# Altium PCB Luchador Pcb.PcbDoc (part 2 of 4)
Units mil, origin at the board's own origin, x right, y up, seen from the top; angles counter-clockwise.
Board outline 6102.25 x 2953 mil, 6 copper layers (Top Layer, GND PLANE 1, SL1(H), SL2(V), Power, Bottom Layer), stack 62.468 mil thick; 267 components, 233 nets, 1286 pads, 806 vias.
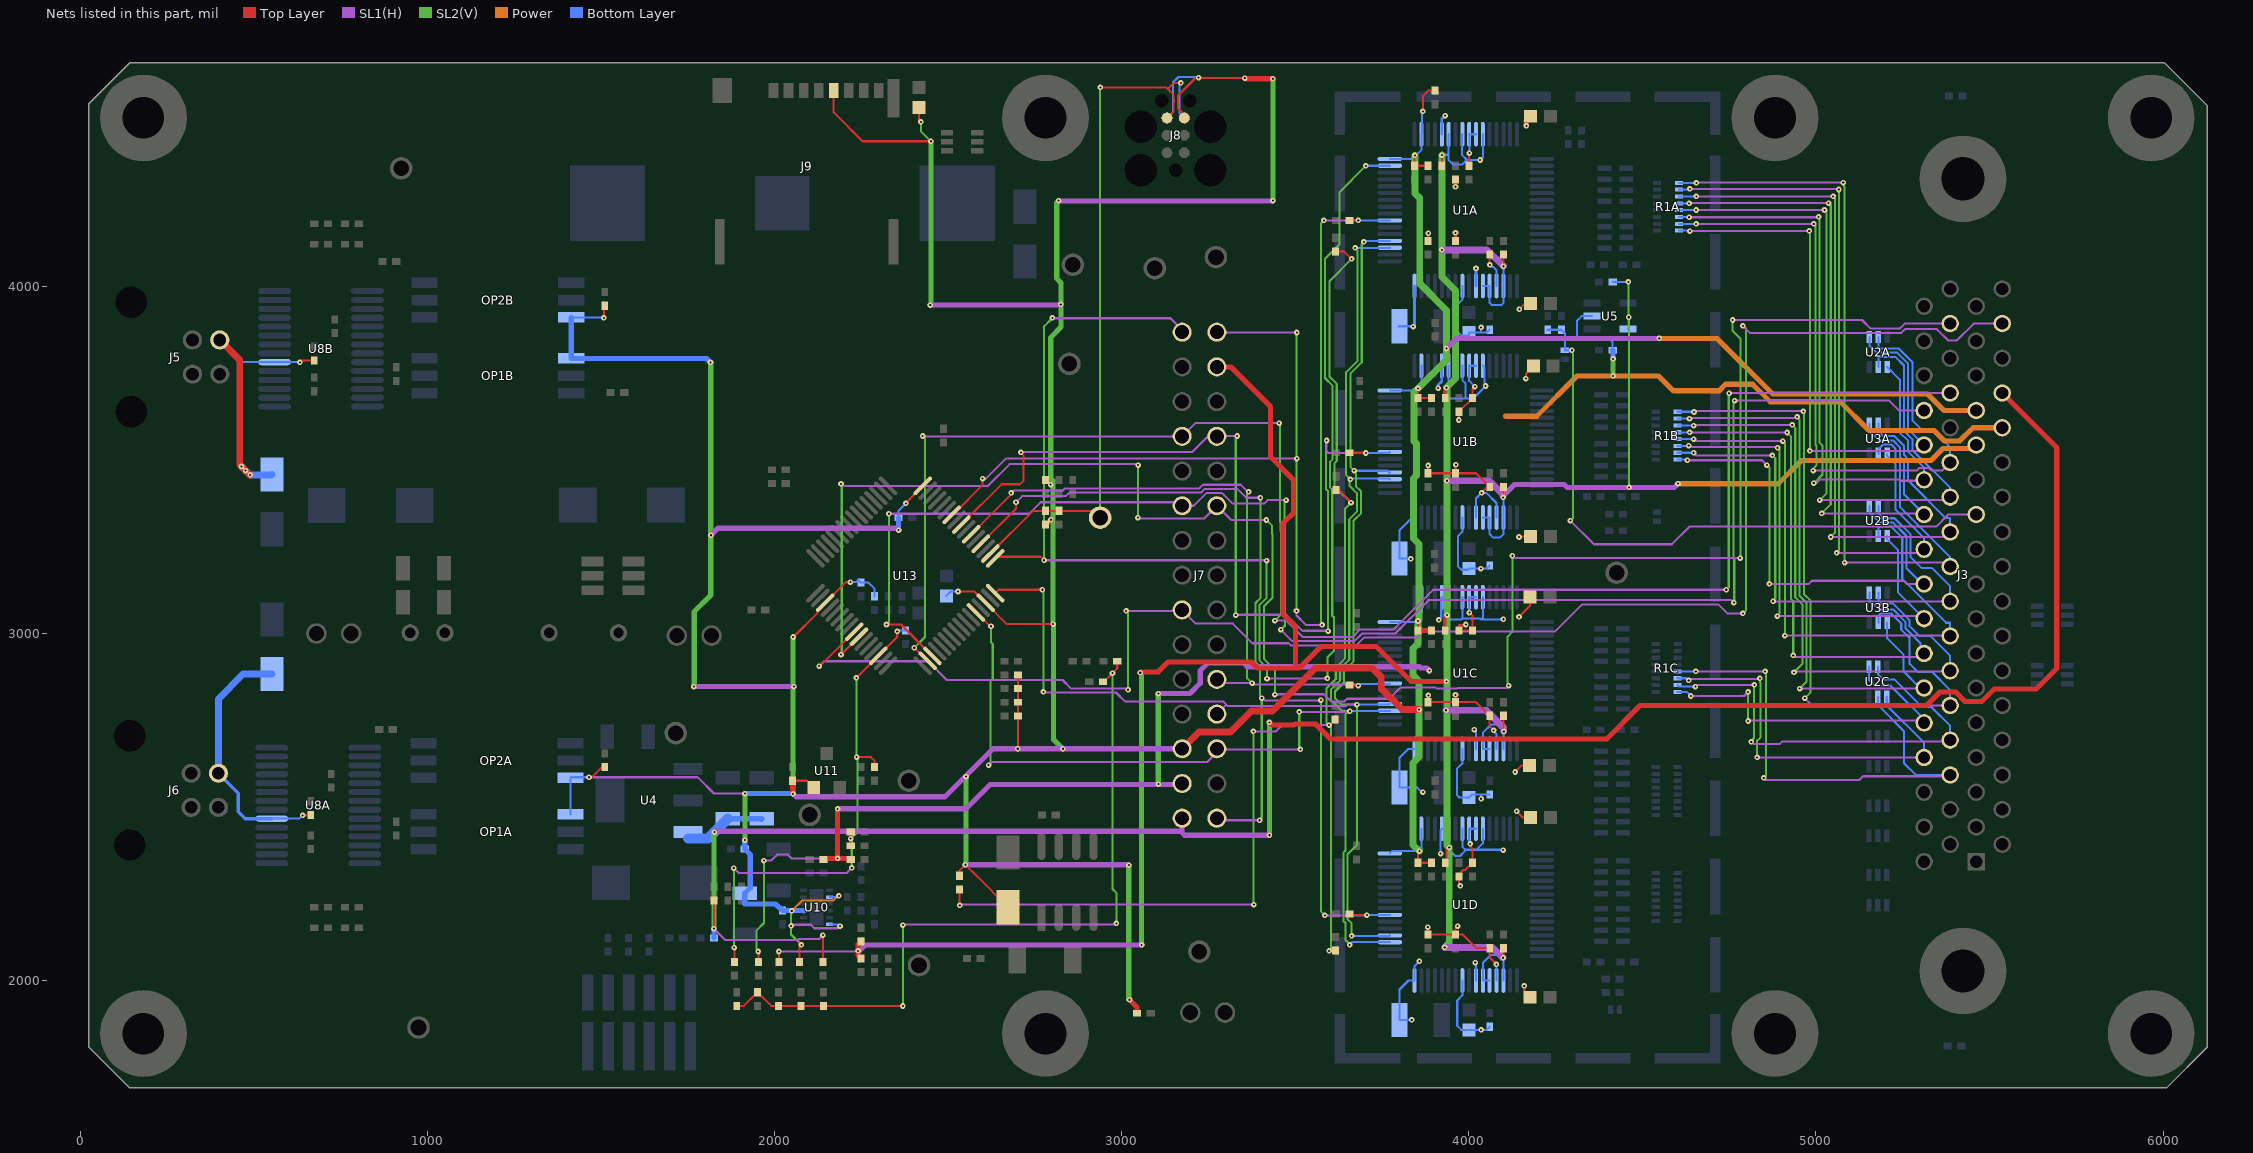
[diagram p6: the nets of this part, all layers, seen from the top]

## Part data (continued)
R47: "Resistor", Case Size="0402 (1005 Metric)", Manufacturer=Panasonic, Manufacturer Part Number=ERJ-2RKF3012X, Operating Temp Range="-55 to +155 °C", Overload Voltage - Max="100 V", Rated Power="0.1 W", Resistance=30.1K, Supplier Part Number 1=P30.1KLCT-ND, Temp Coefficient="±100 ppm/°C", Tolerance (%)="±1 %", Working Voltage-Nom="50 V", ComponentLink1Description=https://datasheet.ciiva.com/16780/70260748-16780293.pdf, ComponentLink1URL=https://datasheet.ciiva.com/16780/70260748-16780293.pdf, ComponentLink2Description=https://datasheet.ciiva.com/28563/1678782-28563413.pdf, ComponentLink2URL=https://datasheet.ciiva.com/28563/1678782-28563413.pdf, ComponentLink3Description=https://datasheet.ciiva.com/30108/aoa0000ce2-30108661.pdf, ComponentLink3URL=https://datasheet.ciiva.com/30108/aoa0000ce2-30108661.pdf, ComponentLink4Description=https://datasheet.ciiva.com/9190/aoa0000ce2-9190840.pdf, ComponentLink4URL=https://datasheet.ciiva.com/9190/aoa0000ce2-9190840.pdf, ComponentLink5Description=https://datasheet.ciiva.com/28695/1678782-28695771.pdf, ComponentLink5URL=https://datasheet.ciiva.com/28695/1678782-28695771.pdf, ComponentLink6Description=https://datasheet.ciiva.com/46389/426256-46389467.pdf, ComponentLink6URL=https://datasheet.ciiva.com/46389/426256-46389467.pdf, ComponentLink7Description=https://datasheet.ciiva.com/24025/aoa0000ce2-24025263.pdf, ComponentLink7URL=https://datasheet.ciiva.com/24025/aoa0000ce2-24025263.pdf, Description1="PANASONIC ELECTRONIC COMPONENTS         ERJ2RKF3012X             SMD Chip Resistor, Thick Film, 30.1 kohm, 50 V, 0402 [1005 Metric], 100 mW,  1%, ERJ2R Series", Dimension="1 x 0.5 mm", Height - Max="0.4 mm", No. of Terminations=2, Pricing 1="1=0.1, 10=0.056, 100=0.0227, 1000=0.0102, 2500=0.0089, 5000=0.0073 (USD)", Stock 1=680939, Supplier 1=Digi-Key, Technology="Thick Film"
R52: "Resistor", Case Code - in=0402, Case Code - mm=1005, Manufacturer=Yageo, Manufacturer Part Number=RC0402FR-0711KL, Operating Temperature Range="- 55 C to + 155 C", Power Rating="62.5 mW (1/16 W)", Resistance=11k, Supplier Part Number 1=311-11.0KLRCT-ND, Temperature Coefficient="100 PPM / C", Tolerance="1 %", Voltage Rating="50 V", ComponentLink1Description=http://www.yageo.com/documents/recent/PYu-RC_Group_51_RoHS_L_9.pdf, ComponentLink1URL=http://www.yageo.com/documents/recent/PYu-RC_Group_51_RoHS_L_9.pdf, ComponentLink2Description=http://www.mouser.com/ds/2/447/PYu-RC0402_51_RoHS_L_6_r-8721.pdf, ComponentLink2URL=http://www.mouser.com/ds/2/447/PYu-RC0402_51_RoHS_L_6_r-8721.pdf, ComponentLink3Description=http://www.farnell.com/datasheets/1018594.pdf, ComponentLink3URL=http://www.farnell.com/datasheets/1018594.pdf, Description1="RES SMD 11K OHM 1% 1/16W 0402", Packaging=Reel, Pricing 1="1=0.1, 10=0.016, 100=0.0067, 1000=0.003, 2500=0.0026, 5000=0.0022 (USD)", Product="Thick Film Resistors General Purpose", Series=RC, Stock 1=2904725, Supplier 1=Digi-Key, Termination Style=SMD/SMT
R54: "Resistor", Case Code - in=0402, Case Code - mm=1005, Manufacturer=Yageo, Manufacturer Part Number=RC0402FR-071KL, Operating Temperature Range="- 55 C to + 155 C", Power Rating="62.5 mW (1/16 W)", Resistance=1K, Supplier Part Number 1=311-1.00KLRDKR-ND, Temperature Coefficient="100 PPM / C", Tolerance="1 %", Voltage Rating="50 V", ComponentLink1Description=http://documents.rs-components.com/techlib://itc_doclist_GB.htm?stockno=6186122, ComponentLink1URL=http://documents.rs-components.com/techlib://itc_doclist_GB.htm?stockno=6186122, ComponentLink2Description=http://www.mouser.com/ds/2/447/PYu-RC0402_51_RoHS_L_6_r-8721.pdf, ComponentLink2URL=http://www.mouser.com/ds/2/447/PYu-RC0402_51_RoHS_L_6_r-8721.pdf, ComponentLink3Description=http://www.yageo.com/documents/recent/PYu-RC0402_51_RoHS_L_6_r.pdf, ComponentLink3URL=http://www.yageo.com/documents/recent/PYu-RC0402_51_RoHS_L_6_r.pdf, ComponentLink4Description=http://www.farnell.com/datasheets/1018594.pdf, ComponentLink4URL=http://www.farnell.com/datasheets/1018594.pdf, ComponentLink5Description=http://www.farnell.com/datasheets/2167052.pdf, ComponentLink5URL=http://www.farnell.com/datasheets/2167052.pdf, Description1="RES SMD 1K OHM 1% 1/16W 0402", Packaging=Reel, Pricing 1="1=0.1, 10=0.016, 100=0.0067, 1000=0.003, 2500=0.0026, 5000=0.0022 (USD)", Product="Thick Film Resistors General Purpose", Series=RC, Stock 1=114983350, Supplier 1=Digi-Key, Termination Style=SMD/SMT
R58: "Resistor", Case Code - in=0402, Case Code - mm=1005, Manufacturer=Panasonic, Manufacturer Part Number=ERJ-2RKF1502X, Operating Temperature Range="- 55 C to + 155 C", Package / Case="0402 (1005 metric)", Power Rating="100 mW", Resistance=15k, Supplier Part Number 1=P15.0KLCT-ND, Temperature Coefficient="100 PPM / C", Tolerance="1 %", Voltage Rating="50 V", Brand=Panasonic, ComponentLink1Description=https://datasheet.ciiva.com/6138/aoa0000ce2-6138166.pdf, ComponentLink1URL=https://datasheet.ciiva.com/6138/aoa0000ce2-6138166.pdf, ComponentLink2Description=https://datasheet.ciiva.com/16765/70260748-16765542.pdf, ComponentLink2URL=https://datasheet.ciiva.com/16765/70260748-16765542.pdf, ComponentLink3Description=https://datasheet.ciiva.com/43467/1678782-43467414.pdf, ComponentLink3URL=https://datasheet.ciiva.com/43467/1678782-43467414.pdf, ComponentLink4Description=https://datasheet.ciiva.com/9193/aoa0000ce2-9193047.pdf, ComponentLink4URL=https://datasheet.ciiva.com/9193/aoa0000ce2-9193047.pdf, ComponentLink5Description=https://datasheet.ciiva.com/8079/426256-8079609.pdf, ComponentLink5URL=https://datasheet.ciiva.com/8079/426256-8079609.pdf, ComponentLink6Description=https://datasheet.ciiva.com/16778/70260748-16778682.pdf, ComponentLink6URL=https://datasheet.ciiva.com/16778/70260748-16778682.pdf, ComponentLink7Description=https://datasheet.ciiva.com/16371/aoa0000ce2-16371499.pdf, ComponentLink7URL=https://datasheet.ciiva.com/16371/aoa0000ce2-16371499.pdf, ComponentLink8Description=https://datasheet.ciiva.com/22687/1678782-22687068.pdf, ComponentLink8URL=https://datasheet.ciiva.com/22687/1678782-22687068.pdf, ComponentLink9Description=https://datasheet.ciiva.com/11821/0900766b80f80784-11821181.pdf, ComponentLink9URL=https://datasheet.ciiva.com/11821/0900766b80f80784-11821181.pdf, ComponentLink10Description=https://datasheet.ciiva.com/46372/1678782-46372862.pdf, ComponentLink10URL=https://datasheet.ciiva.com/46372/1678782-46372862.pdf, ComponentLink11Description=https://datasheet.ciiva.com/17211/aoa0000ce2-17211535.pdf, ComponentLink11URL=https://datasheet.ciiva.com/17211/aoa0000ce2-17211535.pdf, ComponentLink12Description=https://datasheet.ciiva.com/46372/1678782-46372863.pdf, ComponentLink12URL=https://datasheet.ciiva.com/46372/1678782-46372863.pdf, Description1="Res Thick Film 0402 15K Ohm 1% 0.1W(1/10W) ±100ppm/C Molded SMD Automotive Punched T/R", Factory Pack Quantity=10000, Height="0.35 mm", Length="1 mm", Packaging=Reel, Pricing 1="1=0.1, 10=0.056, 100=0.0227, 1000=0.0102, 2500=0.0089, 5000=0.0073 (USD)", Product="Thick Film Resistors SMD", Product Category="Thick Film Resistors - SMD", Qualification=AEC-Q200, RoHS=True, Series=ERJ, Stock 1=1770491, Supplier 1=Digi-Key, Termination Style=SMD/SMT, Type="Precision Thick Film Resistors SMD", Unit Weight="0.000028 oz", Width="0.5 mm"
R59: "Resistor", Manufacturer=Panasonic, Manufacturer Part Number=ERJ-2RKF1602X, Power Rating=100mW, Resistance=16k, Resistance Tolerance="± 1%", Resistor Case Style=0402, Resistor Element Material="Thick Film", Resistor Mounting=SMD, Supplier Part Number 1=P16.0KLCT-ND, Temperature Coefficient="± 100ppm/°C", Voltage Rating=50V, ComponentLink1Description=https://datasheet.ciiva.com/9119/aoa0000ce2-9119254.pdf, ComponentLink1URL=https://datasheet.ciiva.com/9119/aoa0000ce2-9119254.pdf, ComponentLink2Description=https://datasheet.ciiva.com/43467/1678782-43467416.pdf, ComponentLink2URL=https://datasheet.ciiva.com/43467/1678782-43467416.pdf, ComponentLink3Description=https://datasheet.ciiva.com/24070/aoa0000ce2-24070362.pdf, ComponentLink3URL=https://datasheet.ciiva.com/24070/aoa0000ce2-24070362.pdf, ComponentLink4Description=https://datasheet.ciiva.com/16761/70260748-16761564.pdf, ComponentLink4URL=https://datasheet.ciiva.com/16761/70260748-16761564.pdf, ComponentLink5Description=https://datasheet.ciiva.com/11821/0900766b80f80784-11821213.pdf, ComponentLink5URL=https://datasheet.ciiva.com/11821/0900766b80f80784-11821213.pdf, ComponentLink6Description=https://datasheet.ciiva.com/22681/1678782-22681663.pdf, ComponentLink6URL=https://datasheet.ciiva.com/22681/1678782-22681663.pdf, Description1="Panasonic ERJ2RK Series Thick Film Surface Mount Fixed Resistor 0402 Case 1% 0.1W 100ppm/C", Pricing 1="1=0.1, 10=0.056, 100=0.0227, 1000=0.0102, 2500=0.0089, 5000=0.0073 (USD)", Stock 1=351031, Supplier 1=Digi-Key
R64: "Resistor", Manufacturer=Panasonic, Manufacturer Part Number=ERJ-2RKF4022X, Power Rating=100mW, Resistance=40.2k, Resistance Tolerance="± 1%", Resistor Case Style="0402 [1005 Metric]", Resistor Element Material="Thick Film", Resistor Mounting=SMD, Supplier Part Number 1=P40.2KLCT-ND, Temperature Coefficient="± 100ppm/°C", Voltage Rating=50V, ComponentLink1Description=https://datasheet.ciiva.com/6159/426256-6159589.pdf, ComponentLink1URL=https://datasheet.ciiva.com/6159/426256-6159589.pdf, ComponentLink2Description=https://datasheet.ciiva.com/16786/70260748-16786006.pdf, ComponentLink2URL=https://datasheet.ciiva.com/16786/70260748-16786006.pdf, ComponentLink3Description=https://datasheet.ciiva.com/27055/1987281-27055654.pdf, ComponentLink3URL=https://datasheet.ciiva.com/27055/1987281-27055654.pdf, ComponentLink4Description=https://datasheet.ciiva.com/28693/1678782-28693542.pdf, ComponentLink4URL=https://datasheet.ciiva.com/28693/1678782-28693542.pdf, ComponentLink5Description=https://datasheet.ciiva.com/16771/70260748-16771239.pdf, ComponentLink5URL=https://datasheet.ciiva.com/16771/70260748-16771239.pdf, ComponentLink6Description=https://datasheet.ciiva.com/9189/aoa0000ce2-9189864.pdf, ComponentLink6URL=https://datasheet.ciiva.com/9189/aoa0000ce2-9189864.pdf, ComponentLink7Description=https://datasheet.ciiva.com/43460/426256-43460328.pdf, ComponentLink7URL=https://datasheet.ciiva.com/43460/426256-43460328.pdf, ComponentLink8Description=https://datasheet.ciiva.com/46377/426256-46377274.pdf, ComponentLink8URL=https://datasheet.ciiva.com/46377/426256-46377274.pdf, ComponentLink9Description=https://datasheet.ciiva.com/24160/aoa0000ce2-24160028.pdf, ComponentLink9URL=https://datasheet.ciiva.com/24160/aoa0000ce2-24160028.pdf, Description1="Res Thick Film 0402 40.2K Ohm 1% 0.1W(1/10W) ±100ppm/C Molded SMD Automotive T/R", MSL="(Not Applicable)", Packaging="Cut Tape", Pricing 1="1=0.1, 10=0.056, 100=0.0227, 1000=0.0102, 2500=0.0089, 5000=0.0073 (USD)", Product Range="PANASONIC - ERJ Series", Resistor Element Type="Thick Film", Stock 1=987602, Supplier 1=Digi-Key, SVHC="Diboron trioxide (19-Dec-2012)", SVHC (Secondary)="Lead monoxide (lead oxide) (19-Dec-2012)"
R99: "Resistor", Manufacturer=Panasonic, Manufacturer Part Number=ERJ-2RKF10R0X, Rated Power="0.1 W", Resistance=10R, Supplier Part Number 1=P10.0LCT-ND, Temp Coefficient="±100 ppm/°C", Tolerance (%)="±1 %", ComponentLink1Description=https://datasheet.ciiva.com/11821/0900766b80f80784-11821168.pdf, ComponentLink1URL=https://datasheet.ciiva.com/11821/0900766b80f80784-11821168.pdf, ComponentLink2Description=https://datasheet.ciiva.com/7802/aoa0000ce2-7802405.pdf, ComponentLink2URL=https://datasheet.ciiva.com/7802/aoa0000ce2-7802405.pdf, ComponentLink3Description=https://datasheet.ciiva.com/16773/70260748-16773366.pdf, ComponentLink3URL=https://datasheet.ciiva.com/16773/70260748-16773366.pdf, ComponentLink4Description=https://datasheet.ciiva.com/43467/1678782-43467127.pdf, ComponentLink4URL=https://datasheet.ciiva.com/43467/1678782-43467127.pdf, ComponentLink5Description=https://datasheet.ciiva.com/9194/aoa0000ce2-9194120.pdf, ComponentLink5URL=https://datasheet.ciiva.com/9194/aoa0000ce2-9194120.pdf, ComponentLink6Description=https://datasheet.ciiva.com/30218/aoa0000ce2-30218536.pdf, ComponentLink6URL=https://datasheet.ciiva.com/30218/aoa0000ce2-30218536.pdf, ComponentLink7Description=https://datasheet.ciiva.com/17212/aoa0000ce2-17212057.pdf, ComponentLink7URL=https://datasheet.ciiva.com/17212/aoa0000ce2-17212057.pdf, ComponentLink8Description=https://datasheet.ciiva.com/24071/aoa0000ce2-24071514.pdf, ComponentLink8URL=https://datasheet.ciiva.com/24071/aoa0000ce2-24071514.pdf, ComponentLink9Description=https://datasheet.ciiva.com/27055/1987054-27055644.pdf, ComponentLink9URL=https://datasheet.ciiva.com/27055/1987054-27055644.pdf, ComponentLink10Description=https://datasheet.ciiva.com/6082/aoa0000ce2-6082046.pdf, ComponentLink10URL=https://datasheet.ciiva.com/6082/aoa0000ce2-6082046.pdf, ComponentLink11Description=https://datasheet.ciiva.com/22668/1678782-22668302.pdf, ComponentLink11URL=https://datasheet.ciiva.com/22668/1678782-22668302.pdf, Description1="Res Thick Film 0402 10 Ohm 1% 0.1W(1/10W) ±100ppm/C Molded SMD Automotive Punched T/R", Pricing 1="1=0.1, 10=0.056, 100=0.0227, 1000=0.0102, 2500=0.0089, 5000=0.0073 (USD)", Size Code=0402, Stock 1=3489054, Supplier 1=Digi-Key
RFS1: Manufacturer="Leader Tech FerriShield", Manufacturer Part Number=SMS-462F, Supplier Part Number 1=1798-1237-1-ND, Attenuation=-, Depth=5.99mm, Description1="LEADER TECH-FERRISHIELD         SMS-462F             SURFACE MOUNT SHIELD FRAME, RECT                          New", Gasket Material="Tin Plated Steel", Length=27.18mm, Pricing 1="1=2.84, 10=2.567, 25=2.2916, 100=2.0626 (USD)", Product Range="Two-Piece SMS Series", Shielding Type="EMI Shielding", Stock 1=814, Supplier 1=Digi-Key, SVHC="No SVHC (17-Dec-2015)", Width=70.05mm
U1A U1B U1C U1D: Manufacturer="Texas Instruments", Package / Case=64-TQFP, Power (Watts)=42mW, Supplier Device Package="64-TQFP (10x10)", Supplier Part Number 1=296-34818-1-ND, Voltage - Supply, Analog=5V, Voltage - Supply, Digital="1.8 V ~ 3.6 V", Category="Integrated Circuits (ICs)", ComponentLink1Description=http://www.ti.com/lit/ds/symlink/ads1299.pdf, ComponentLink1URL=http://www.ti.com/lit/ds/symlink/ads1299.pdf, Description1="IC AFE 24BIT 16KSPS LN 64TQFP", Manufacturer Part Number=ADS1299IPAGR, Number of Bits=24, Number of Channels=8, Packaging="Cut Tape (CT)", Part Status=Active, Pricing 1="1=55.08, 10=51.84, 100=46.332, 500=43.416, 1000=40.5 (USD)", RoHS="RoHS Compliant", Stock 1=1324, Supplier 1=Digi-Key
U2A U2B U2C U2D U3A U3B U3C U3D U6 U7 U14: Capacitance Value="1 pF", ESD Protection Voltage="±18@Air Gap/±18@Contact Disc kV", Manufacturer="Texas Instruments", Maximum Clamping Voltage="15(Typ) V", Maximum Leakage Current="0.01 uA", Maximum Operating Temperature="125 °C", Maximum Working Voltage="5.5 V", Minimum Operating Temperature="-40 °C", Supplier Part Number 1=296-39346-1-ND, Category="ESD Suppressors", ComponentLink1Description=https://datasheet.ciiva.com/12545/tpd4e1b06-224687-12545147.pdf, ComponentLink1URL=https://datasheet.ciiva.com/12545/tpd4e1b06-224687-12545147.pdf, ComponentLink2Description=https://datasheet.ciiva.com/6574/tpd4e1b06-6574671.pdf, ComponentLink2URL=https://datasheet.ciiva.com/6574/tpd4e1b06-6574671.pdf, Description1="TVS DIODE 5.5VWM 14.5VC SC70-6", Direction Type=Uni-Directional, Manufacturer Part Number=TPD4E1B06DCKR, Mounting="Surface Mount", Number of Elements per Chip=4, Pin Count=6, Pricing 1="1=0.61, 10=0.519, 100=0.3876, 500=0.3046, 1000=0.2353 (USD)", Stock 1=120901, Supplier 1=Digi-Key, Type="Diode Arrays"
U4: Current - Limit (Min)=-, Current - Output=800mA, Manufacturer=STMicroelectronics, Operating Temperature="-40°C ~ 125°C", Package / Case="TO-261-4, TO-261AA", Supplier Device Package=SOT-223, Supplier Part Number 1=497-1241-1-ND, Voltage - Dropout (Typical)="1.1V @ 800mA", Voltage - Input="Up to 15V", Voltage - Output=3.3V, Category="Integrated Circuits (ICs)", ComponentLink1Description=http://www.st.com/web/en/resource/technical/document/datasheet/CD00000544.pdf, ComponentLink1URL=http://www.st.com/web/en/resource/technical/document/datasheet/CD00000544.pdf, Description1="IC REG LDO 3.3V 0.8A SOT223", Manufacturer Part Number=LD1117S33CTR, Mounting Type="Surface Mount", Number of Regulators=1, Packaging="Cut Tape (CT)", Part Status=Active, Pricing 1="1=0.46, 10=0.373, 100=0.2541, 500=0.1902, 1000=0.14245 (USD)", Regulator Topology="Positive Fixed", RoHS="RoHS Compliant", Stock 1=74769, Supplier 1=Digi-Key
U5: Base Part Number=TSV321, Current - Supply=500µA, Manufacturer=STMicroelectronics, Operating Temperature="-40°C ~ 125°C", Package / Case="SC-74A, SOT-753", Supplier Device Package=SOT-23-5, Supplier Part Number 1=497-8164-1-ND, Voltage - Supply, Single/Dual (±)="2.5 V ~ 6 V", Amplifier Type="General Purpose", Category="Integrated Circuits (ICs)", ComponentLink1Description=http://www.st.com/content/ccc/resource/technical/document/datasheet/4c/37/c9/ed/ee/b0/44/6d/CD00063292.pdf/files/CD00063292.pdf/jcr:content/translations/en.CD00063292.pdf, ComponentLink1URL=http://www.st.com/content/ccc/resource/technical/document/datasheet/4c/37/c9/ed/ee/b0/44/6d/CD00063292.pdf/files/CD00063292.pdf/jcr:content/translations/en.CD00063292.pdf, Description1="IC OPAMP GP 1.4MHZ RRO SOT23-5", Manufacturer Part Number=TSV321RILT, Mounting Type="Surface Mount", Output Type=Rail-to-Rail, Packaging="Cut Tape (CT)", Part Status=Active, Pricing 1="1=0.58, 10=0.494, 100=0.3692, 500=0.29004, 1000=0.22413 (USD)", RoHS="RoHS Compliant", Slew Rate="0.6 V/µs", Stock 1=75819, Supplier 1=Digi-Key
U8A U8B: "IC USB TO SERIAL UART 28-SSOP", Manufacturer="FTDI, Future Technology Devices International Ltd", Manufacturer Part Number=FT232RL-REEL, Package / Case=28-SSOP, Supplier Part Number 1=768-1007-1-ND, Voltage - Supply="3.3 V ~ 5.25 V", Category="Integrated Circuits (ICs)", ComponentLink1Description=http://www.ftdichip.com/Support/Documents/DataSheets/ICs/DS_FT232R.pdf, ComponentLink1URL=http://www.ftdichip.com/Support/Documents/DataSheets/ICs/DS_FT232R.pdf, Description1="IC USB FS SERIAL UART 28-SSOP", Features="USB to UART", FIFO's="256 Byte", Mounting Type="Surface Mount", Number of Channels="1, UART", Packaging="Cut Tape (CT)", Pricing 1="1=4.5, 10=4.05, 50=3.85, 100=3.65, 250=3.25, 500=2.85 (USD)", Protocol="RS-232, RS-422, RS-485", RoHS="RoHS Compliant", Stock 1=60399, Supplier 1=Digi-Key, Supplier Device Package=28-SSOP, With Auto Flow Control=Yes, With CMOS=Yes, With False Start Bit Detection=-, With IrDA Encoder/Decoder=-, With Modem Control=Yes, With Parallel Port=-
U10: Current - Output=250mA, Frequency - Switching="1.7MHz ~ 2.3MHz", Manufacturer="Texas Instruments", Operating Temperature="-40°C ~ 85°C (TA)", Package / Case="12-WFDFN Exposed Pad", Supplier Device Package="12-WSON (3x2)", Supplier Part Number 1=296-44944-1-ND, Voltage - Input (Max)=5.5V, Voltage - Input (Min)=2.7V, Voltage - Output (Max)="-1.5V, 5V", Voltage - Output (Min/Fixed)="-5V, 1.5V", Category="Integrated Circuits (ICs)", ComponentLink1Description=http://www.ti.com/lit/ds/symlink/lm27762.pdf, ComponentLink1URL=http://www.ti.com/lit/ds/symlink/lm27762.pdf, Description1="Charge Pump Switching Regulator IC Positive and Negative (Dual Rail) Adjustable -5V, 1.5V 2 - Dual Output 250mA 12-WFDFN Exposed Pad", Family="PMIC - Voltage Regulators - DC DC Switching Regulators", Function=Step-Up/Step-Down, Manufacturer Part Number=LM27762DSST, Mounting Type="Surface Mount", Number of Outputs="2 - Dual", Output Configuration="Positive and Negative (Dual Rail)", Output Type=Adjustable, Packaging="Tape & Reel (TR)", Part Status=Active, Pricing 1="1=2.43, 10=2.184, 100=1.7551 (USD)", Series=-, Stock 1=4423, Supplier 1=Digi-Key, Synchronous Rectifier=No, Topology="Charge Pump"
U11: Current - Cathode=-, Current - Output=25mA, Current - Supply=50µA, Manufacturer="Texas Instruments", Manufacturer Product Page="REF3025AIDBZR Specifications", Operating Temperature="-40°C ~ 125°C (TA)", Package / Case="TO-236-3, SC-59, SOT-23-3", Standard Package=1, Supplier Device Package=SOT-23-3, Supplier Part Number 1=296-26322-1-ND, Temperature Coefficient=75ppm/°C, Tolerance=±0.2%, Voltage - Input="2.55 V ~ 5.5 V", Voltage - Output (Min/Fixed)=2.5V, Category="Integrated Circuits (ICs)", ComponentLink1Description=https://datasheet.ciiva.com/2012/ref3012-2012418.pdf, ComponentLink1URL=https://datasheet.ciiva.com/2012/ref3012-2012418.pdf, ComponentLink2Description=https://datasheet.ciiva.com/27052/1493492-27052290.pdf, ComponentLink2URL=https://datasheet.ciiva.com/27052/1493492-27052290.pdf, ComponentLink3Description=https://datasheet.ciiva.com/2012/ref3012-2012419.pdf, ComponentLink3URL=https://datasheet.ciiva.com/2012/ref3012-2012419.pdf, ComponentLink4Description=https://datasheet.ciiva.com/2012/ref3012-2012420.pdf, ComponentLink4URL=https://datasheet.ciiva.com/2012/ref3012-2012420.pdf, ComponentLink5Description=https://datasheet.ciiva.com/15149/getdatasheetpartid-253850-15149190.pdf, ComponentLink5URL=https://datasheet.ciiva.com/15149/getdatasheetpartid-253850-15149190.pdf, ComponentLink6Description=https://datasheet.ciiva.com/3236/sbvs032f-3236285.pdf, ComponentLink6URL=https://datasheet.ciiva.com/3236/sbvs032f-3236285.pdf, Description1="IC VREF SERIES 2.5V SOT23-3", Family="PMIC - Voltage Reference", Manufacturer Part Number=REF3025AIDBZR, Mounting Type="Surface Mount", Noise - 0.1Hz to 10Hz=28µVp-p, Noise - 10Hz to 10kHz=80µVrms, Online Catalog="Series, Fixed - Texas Instruments", Other Names=296-26322-1, Output Type=Fixed, Packaging="Cut Tape (CT)", Pricing 1="1=1.43, 10=1.282, 100=0.9997, 500=0.8259, 1000=0.652 (USD)", Product Training Modules="Selecting Voltage References", Reference Type=Series, Series=-, Stock 1=53687, Supplier 1=Digi-Key, Voltage - Output (Max)=-
U12: Manufacturer="NXP Semiconductors", Operating Temperature="-40°C ~ 85°C", Package / Case="8-SOIC (0.154\", 3.90mm Width)", Supplier Device Package=8-SO, Supplier Part Number 1=568-6650-2-ND, Voltage - Supply="1.8 V ~ 5.5 V", Voltage - Supply, Battery="1 V ~ 5.5 V", ADDRESS="0XA3, 0XA2", Category="Integrated Circuits (ICs)", ComponentLink1Description=http://www.nxp.com/documents/data_sheet/PCF8563.pdf, ComponentLink1URL=http://www.nxp.com/documents/data_sheet/PCF8563.pdf, Date Format=YY-MM-DD-dd, Description 1="IC RTC/CALENDAR 8SOIC", Features="Alarm, Leap Year, Watchdog Timer", Interface="I²C, 2-Wire Serial", Manufacturer Part Number=PCF8563T/5,518, Memory Size=-, Mounting Type="Surface Mount", Packaging="Tape & Reel (TR)", Pricing 1="2500=0.4704, 5000=0.44688, 12500=0.43008, 25000=0.41664, 62500=0.4032 (USD)", RoHS="RoHS Compliant", Stock 1=10000, Supplier 1=Digi-Key, Time Format="HH:MM:SS (24 hr)", Type=Clock/Calendar
U13: Manufacturer="NXP Freescale", Manufacturer Part Number=MKL27Z256VLH4, Operating Temperature="-40°C ~ 105°C (TA)", Package / Case=64-LQFP, Supplier Device Package="64-LQFP (10x10)", Supplier Part Number 1=MKL27Z256VLH4-ND, Voltage - Supply (Vcc/Vdd)="1.71 V ~ 3.6 V", Category="Integrated Circuits (ICs)", Connectivity="I²C, SPI, UART/USART, USB", Core Processor="ARM® Cortex®-M0+", Core Size=32-Bit, Data Converters="A/D 16x16b, D/A 1x12b", Description1="NXP   MKL27Z256VLH4   32 Bit Microcontroller, Kinetis L Series Ultra Low Power, ARM Cortex-M0+, 48 MHz, 256 KB, 32 KB", EEPROM Size=-, Family="Embedded - Microcontrollers", Number of I/O=50, Oscillator Type=Internal, Packaging=Tray, Peripherals="DMA, I²S, LVD, POR, PWM, WDT", Pricing 1="1=6.55, 10=5.879, 100=4.8165 (USD)", Program Memory Size="256KB (256K x 8)", Program Memory Type=FLASH, RAM Size="32K x 8", Series="Kinetis KL2", Speed=48MHz, Stock 1=23443, Supplier 1=Digi-Key
Y1: library part XTAL, "Crystal Oscillator", ESR (Equivalent Series Resistance)="70 kOhm", Frequency Stability=-, Frequency Tolerance=±20ppm, Load Capacitance=12.5pF, Manufacturer="Abracon Corporation", Manufacturer Part Number=ABS10-32.768KHZ-T, Operating Mode=Fundamental, Operating Temperature="-40°C ~ 85°C", Package / Case=2-SMD, Supplier Part Number 1=535-9536-1-ND, Category="Crystals and Oscillators", ComponentLink1Description=http://www.abracon.com/Resonators/ABS10.pdf, ComponentLink1URL=http://www.abracon.com/Resonators/ABS10.pdf, Description 1="CRYSTAL 32.768KHZ 12.5PF SMD", Frequency=32.768kHz, Height="0.039\" (1.00mm)", Mounting Type="Surface Mount", Packaging="Cut Tape (CT)", Pricing 1="1=1.13, 10=0.975, 50=0.855, 100=0.675, 500=0.57 (USD)", Ratings=-, RoHS="RoHS Compliant", Size / Dimension="0.190\" L x 0.070\" W (4.90mm x 1.80mm)", Stock 1=61959, Supplier 1=Digi-Key, Type="kHz Crystal (Tuning Fork)"

## Free pads (board coordinates)
  round 250 hole 120: M(182.48,1847.48) M(182.48,4485.28) M(2780.91,1847.48) M(2780.91,4485.28) M(4882.28,1847.48) M(4882.28,4485.28) M(5965.94,1847.48) M(5965.94,4485.28)

## Via types
v1: diameter 16, hole 6, Top Layer to Bottom Layer, tented both sides, 806 vias

## Nets (pads, with @x,y where several pads share a name; then routed paths per layer and width w, separated by ;. In a path a pad name is that pad's centre, name@x,y a point inside that pad or via, vN(x,y) a via of type N, cw(c..) or ccw(c..) an arc to the next point about the centre after c; other vN are vias at no path point)
#CS0: D1A.2 J7.1 U1A.39 U13.42 | length 3580.6
  Top Layer w6: U13.42@2517.75,3345.75 2600,3428 v1(2600,3446) ; D1A.2@3656.89,4190 v1(3682,4190)
  SL1(H) w6: v1(2600,3446) 2609,3446 2667.45,3504.45 3504.55,3504.45 v1(3505,3504) ; J7.1@3274.61,3867.95 3275.56,3867 v1(3505,3867) ; v1(3504,3065) 3504,3052 3531,3025 v1(3578,3025) ; v1(3583,4190) v1(3682,4190)
  SL2(V) w6: v1(3504,3065) 3504,3866 v1(3505,3867) ; v1(3578,3025) 3574,3029 3574,4181 v1(3583,4190)
  Bottom Layer w6: v1(3682,4190) U1A.39@3773.03,4190
#CS1: D1B.2 J7.7 U1B.39 U13.40 | length 2579
  Top Layer w6: U13.40@2538.83,3313.92 2654.9,3430 2708.04,3430 2718,3439.96 2718,3514 v1(2710,3522) ; D1B.2@3656.89,3520.71 3703.29,3520.71 v1(3704,3520)
  SL1(H) w6: v1(2710,3522) 2711,3523 3204,3523 3248.95,3567.95 J7.7@3274.61,3567.95 3275.65,3569 v1(3333,3569) ; v1(3329,3053) 3330,3054 3475,3054 3521,3008 3593.89,3008 v1(3595,3006.89) ; v1(3591,3556) 3591,3525 3596,3520 v1(3704,3520)
  SL2(V) w6: v1(3329,3053) 3329,3565 v1(3333,3569) ; v1(3591,3556) 3589,3554 3589,3415.06 3595,3409.06 v1(3595,3006.89)
  Bottom Layer w6: v1(3704,3520) 3769.86,3520 U1B.39@3773.03,3523.18
#CS2: D1C.2 J7.21 U1C.39 U13.38 | length 1971.1
  Top Layer w6: U13.38@2566.67,3286.09 2682,3401.42 v1(2682,3405) ; D1C.2@3656.89,2851.42 3663.89,2844.42 3669.47,2850 v1(3682,2850)
  SL1(H) w6: v1(2682,3405) 2689,3412 2831,3412 2837,3418 3223.97,3418 3234.42,3428.45 3343.55,3428.45 3364,3408 v1(3366,3408) ; J7.21@3274.61,2867.95 3291.56,2851 3297.56,2857 v1(3376,2857) 3380,2853 3679,2853 v1(3682,2850)
  SL2(V) w6: v1(3366,3408) 3362,3404 3362,2871 v1(3376,2857)
  Bottom Layer w6: v1(3682,2850) 3686,2854 3770.68,2854 U1C.39@3773.03,2856.35